# KiCad board AMC_FMC_Carrier-PcbDoc.kicad_pcb (continued)
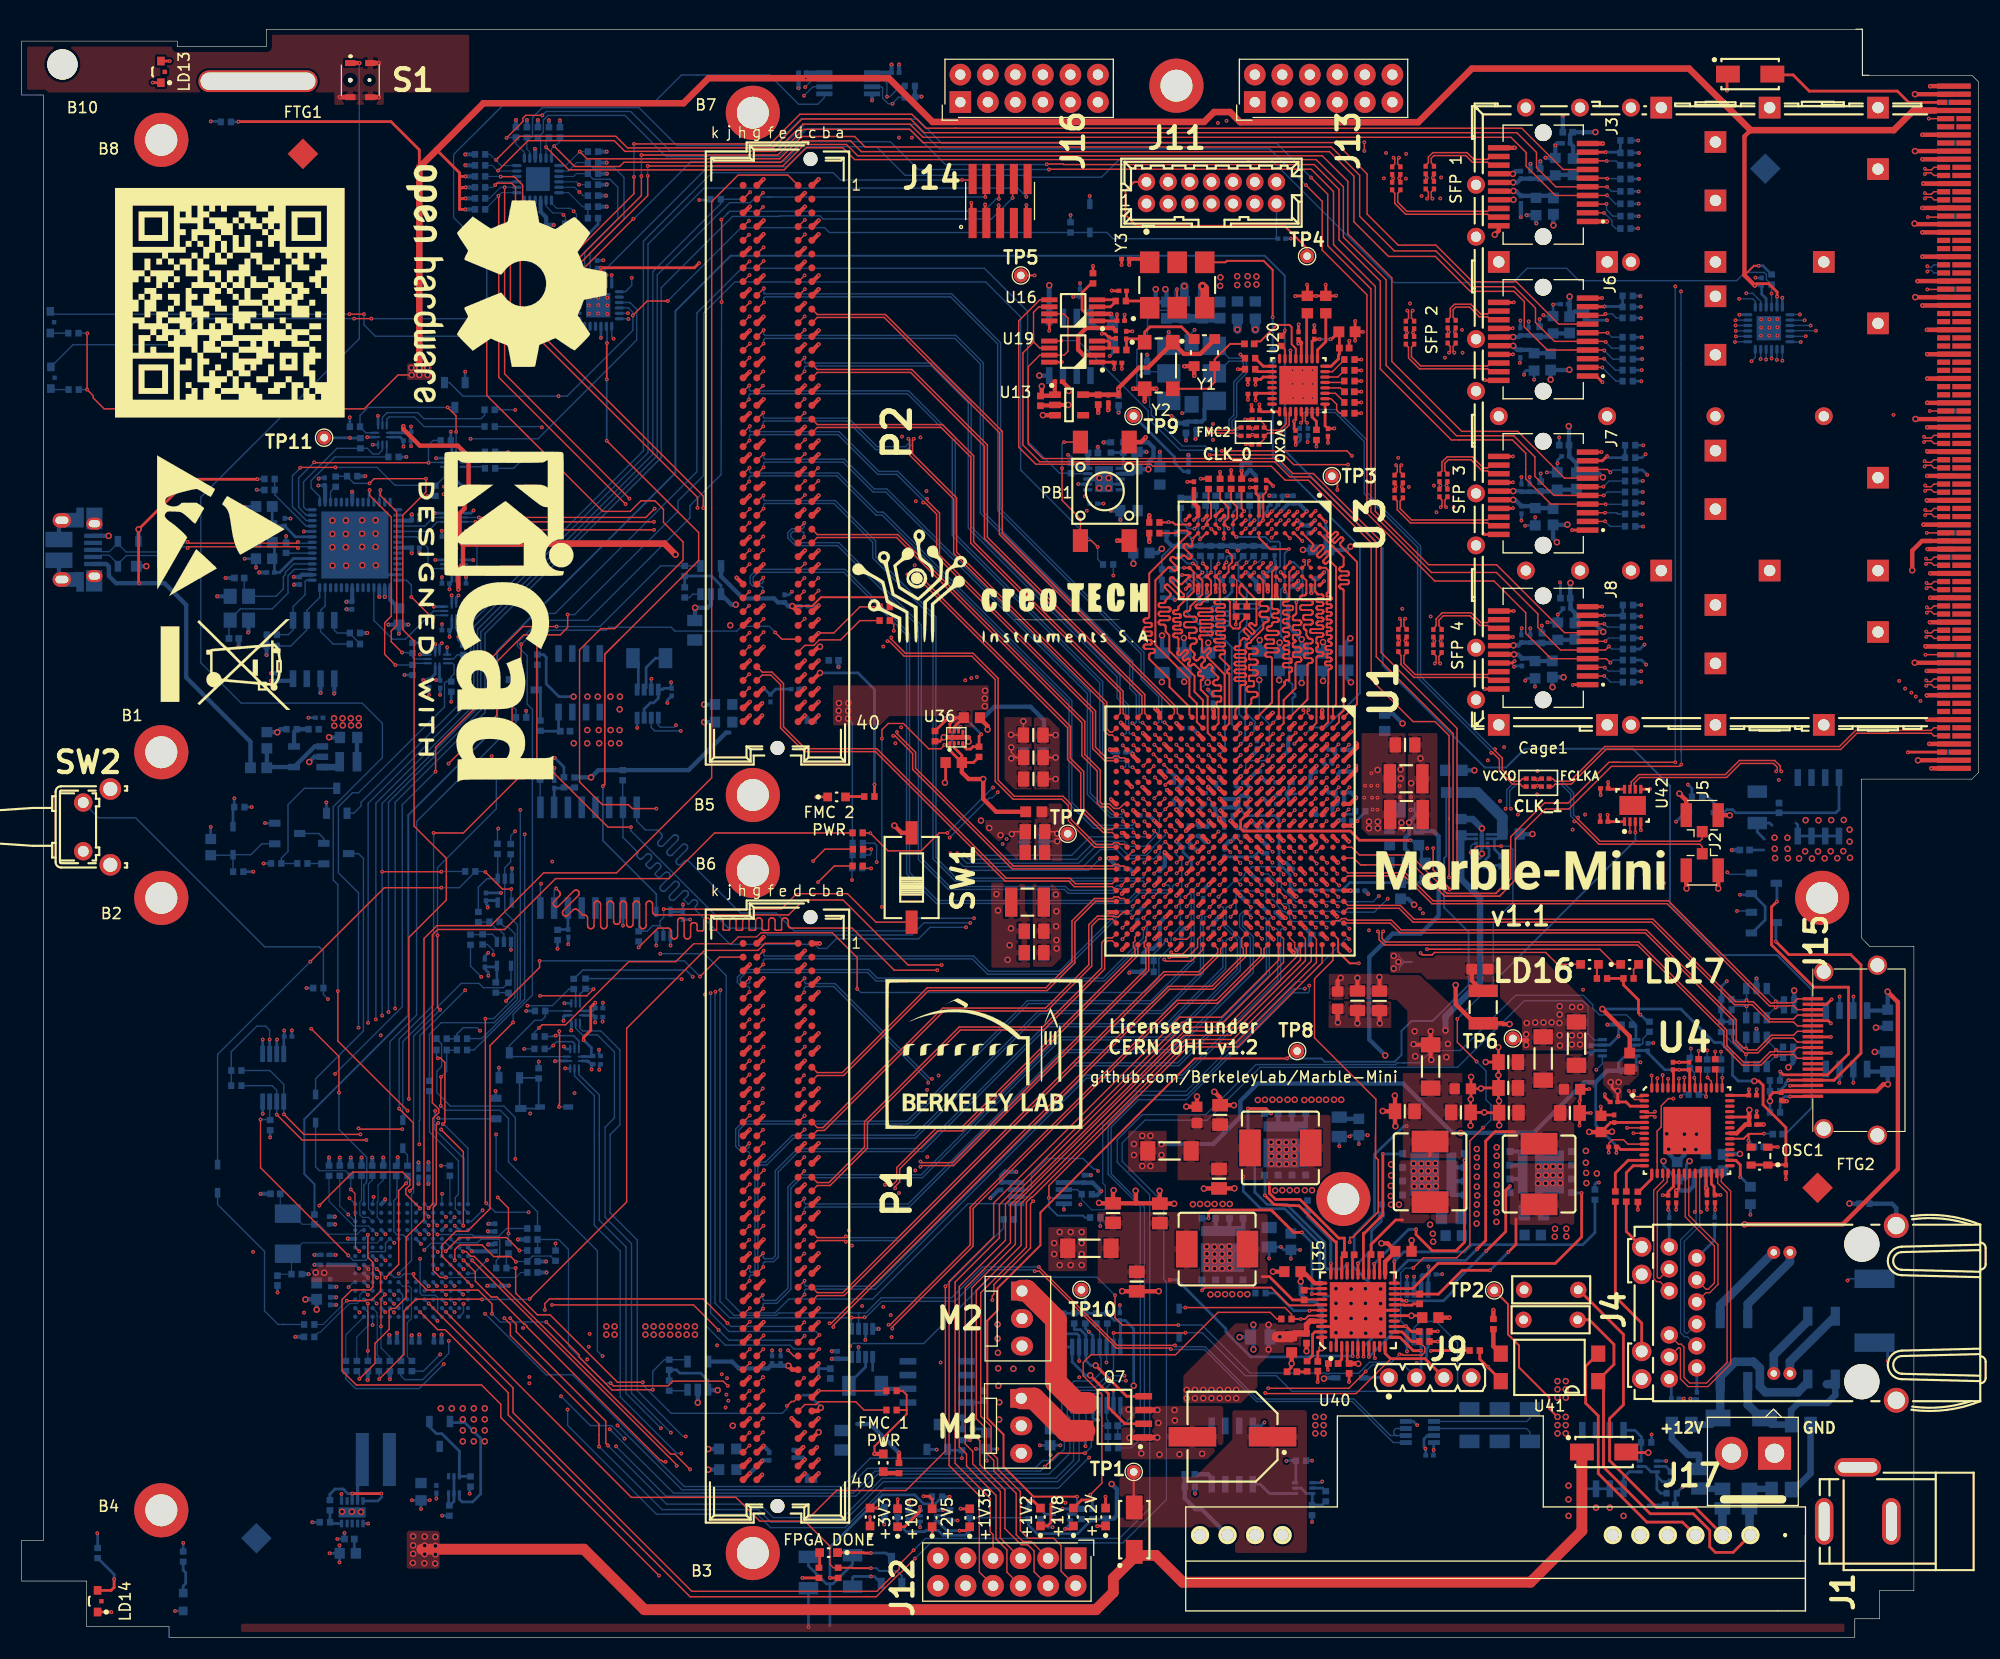
[diagram p0: board, top side]
## Routing (per net, layer and track width the routed paths; a pad name or vN(x,y) marks a point on that pad's centre or on a via; arc(x,y) is an arc through that point) (continued)
/SDRAM/DDR3_DQ13: length 22.7
  Top w0.178: U3.A2 120.51,102.05 120.53,102.02 120.54,102 120.55,101.97 120.55,101.94 120.54,101.92 120.53,101.89 120.5,101.85 120.48,101.82 120.48,101.79 120.48,101.77 120.48,101.74 120.5,101.71 120.51,101.69 120.59,101.62 120.61,101.6 120.64,101.59 120.66,101.58 120.69,101.58 120.72,101.59 120.74,101.6 120.77,101.62 121.19,102.04 121.22,102.06 121.25,102.08 121.29,102.09 121.33,102.09 121.37,102.08 121.41,102.06 121.44,102.04 121.46,102.01 121.48,101.97 121.49,101.93 121.49,101.89 121.48,101.85 121.46,101.82 121.44,101.79 121.02,101.37 121,101.34 120.99,101.32 120.98,101.29 120.98,101.26 120.99,101.24 121,101.21 121.02,101.19 121.09,101.11 121.11,101.1 121.14,101.08 121.17,101.08 121.19,101.08 121.22,101.08 121.25,101.1 121.27,101.11 121.69,101.54 121.72,101.56 121.76,101.58 121.8,101.59 121.84,101.59 121.88,101.58 121.91,101.56 121.94,101.54 121.97,101.5 121.98,101.47 121.99,101.43 121.99,101.39 121.98,101.35 121.97,101.32 121.94,101.28 121.73,101.08 121.71,101.04 121.69,101.01 121.68,100.97 121.68,100.93 121.69,100.89 121.71,100.86 121.73,100.82 123.25,99.31 123.25,86.18 U1.A1
/SDRAM/DDR3_DQ14: length 22.7
  Top w0.178: U1.D2 119.51,84.44 119.51,90.44 119.51,90.48 119.52,90.52 119.54,90.55 119.57,90.58 119.61,90.6 119.64,90.62 119.68,90.62 119.98,90.62 120.02,90.62 120.05,90.64 120.09,90.66 120.12,90.69 120.14,90.72 120.15,90.76 120.15,90.8 120.15,90.84 120.14,90.88 120.12,90.91 120.09,90.94 120.05,90.96 120.02,90.97 119.98,90.98 119.68,90.98 119.64,90.98 119.61,90.99 119.57,91.01 119.54,91.04 119.52,91.08 119.51,91.11 119.51,91.15 119.51,91.36 119.51,91.38 119.51,91.39 119.52,91.41 119.53,91.42 119.55,91.43 119.56,91.43 119.6,91.44 119.61,91.44 119.63,91.45 119.64,91.46 119.65,91.48 119.65,91.49 119.66,91.51 119.66,91.72 119.65,91.73 119.65,91.75 119.64,91.76 119.63,91.77 119.61,91.78 119.6,91.79 119.56,91.79 119.55,91.8 119.53,91.81 119.52,91.82 119.51,91.83 119.51,91.85 119.51,91.87 119.51,92.22 119.51,92.26 119.52,92.29 119.54,92.33 119.57,92.36 119.61,92.38 119.64,92.39 119.68,92.39 119.98,92.39 120.02,92.4 120.05,92.41 120.09,92.43 120.12,92.46 120.14,92.49 120.15,92.53 120.15,92.57 120.15,92.61 120.14,92.65 120.12,92.68 120.09,92.71 120.05,92.73 120.02,92.75 119.98,92.75 119.09,92.75 119.05,92.75 119.01,92.77 118.98,92.79 118.95,92.82 118.93,92.85 118.91,92.89 118.91,92.93 118.91,92.97 118.93,93.01 118.95,93.04 118.98,93.07 119.01,93.09 119.05,93.1 119.09,93.11 119.98,93.11 120.02,93.11 120.05,93.12 120.09,93.14 120.12,93.17 120.14,93.21 120.15,93.24 120.15,93.28 120.15,93.32 120.14,93.36 120.12,93.39 120.09,93.42 120.05,93.44 120.02,93.46 119.98,93.46 119.68,93.46 119.64,93.47 119.61,93.48 119.57,93.5 119.54,93.53 119.52,93.56 119.51,93.6 119.51,93.64 119.51,93.68 119.52,93.72 119.54,93.75 119.57,93.78 119.61,93.8 119.64,93.81 119.68,93.82 119.98,93.82 120.02,93.82 120.05,93.84 120.09,93.86 120.12,93.89 120.14,93.92 120.15,93.96 120.15,94 120.15,94.04 120.14,94.07 120.12,94.11 120.09,94.14 120.05,94.16 120.02,94.17 119.98,94.17 119.68,94.17 119.64,94.18 119.61,94.19 119.57,94.21 119.54,94.24 119.52,94.27 119.51,94.31 119.51,94.35 119.51,94.39 119.52,94.43 119.54,94.46 119.57,94.49 119.61,94.51 119.64,94.53 119.68,94.53 119.98,94.53 120.02,94.53 120.05,94.55 120.09,94.57 120.12,94.6 120.14,94.63 120.15,94.67 120.15,94.71 120.15,94.75 120.14,94.79 120.12,94.82 120.09,94.85 120.05,94.87 120.02,94.88 119.98,94.89 119.68,94.89 119.64,94.89 119.61,94.9 119.57,94.92 119.54,94.95 119.52,94.99 119.51,95.02 119.51,95.06 119.51,95.1 119.52,95.14 119.54,95.17 119.57,95.2 119.61,95.22 119.64,95.24 119.68,95.24 119.98,95.24 120.02,95.25 120.05,95.26 120.09,95.28 120.12,95.31 120.14,95.34 120.15,95.38 120.15,95.42 120.15,95.46 120.14,95.5 120.12,95.53 120.09,95.56 120.05,95.58 120.02,95.59 119.98,95.6 119.68,95.6 119.64,95.6 119.61,95.62 119.57,95.64 119.54,95.67 119.52,95.7 119.51,95.74 119.51,95.78 119.51,95.82 119.52,95.85 119.54,95.89 119.57,95.92 119.61,95.94 119.64,95.95 119.68,95.95 119.98,95.95 120.02,95.96 120.05,95.97 120.09,95.99 120.12,96.02 120.14,96.05 120.15,96.09 120.15,96.13 120.15,96.17 120.14,96.21 120.12,96.24 120.09,96.27 120.05,96.29 120.02,96.31 119.98,96.31 119.68,96.31 119.64,96.31 119.61,96.33 119.57,96.35 119.54,96.38 119.52,96.41 119.51,96.45 119.51,96.49 119.39,96.61 119.39,97.57 U3.B8
/SDRAM/DDR3_DQ15: length 22.7
  Top w0.178: U3.A3 122.02,99.74 122.02,99.04 122.01,99 122,98.96 121.97,98.92 121.94,98.89 121.9,98.86 121.86,98.85 121.77,98.84 121.73,98.82 121.69,98.8 121.66,98.77 121.64,98.73 121.62,98.69 121.62,98.64 121.62,98.6 121.64,98.56 121.66,98.52 121.69,98.49 121.73,98.46 121.77,98.45 121.82,98.44 122.32,98.44 122.36,98.44 122.4,98.42 122.44,98.4 122.47,98.37 122.5,98.33 122.51,98.29 122.52,98.24 122.51,98.2 122.5,98.16 122.47,98.12 122.44,98.09 122.4,98.06 122.36,98.05 122.32,98.04 121.82,98.04 121.77,98.04 121.73,98.02 121.69,98 121.66,97.97 121.64,97.93 121.62,97.89 121.62,97.84 121.62,97.8 121.64,97.76 121.66,97.72 121.69,97.69 121.73,97.66 121.77,97.65 121.82,97.64 122.32,97.64 122.36,97.64 122.4,97.62 122.44,97.6 122.47,97.57 122.5,97.53 122.51,97.49 122.52,97.44 122.51,97.4 122.5,97.36 122.47,97.32 122.44,97.29 122.4,97.26 122.36,97.25 122.32,97.24 121.82,97.24 121.77,97.24 121.73,97.22 121.69,97.2 121.66,97.17 121.64,97.13 121.62,97.09 121.62,97.04 121.62,97 121.64,96.96 121.66,96.92 121.69,96.89 121.73,96.86 121.77,96.85 121.86,96.84 121.9,96.82 121.94,96.8 121.97,96.77 122,96.73 122.01,96.69 122.02,96.64 122.02,85.59 121.59,85.17 121.59,84.52 U1.B2
/SDRAM/PGOOD: length 156.2
  Top w0.127: v1(41.55,32.45) 38.78,35.23 38.78,36.2 40.08,37.5 41.15,37.5 43.23,39.58 43.23,54.64 v1(45.36,56.78)
  Bottom w0.127: U2.E14 41.2,32.81 v1(41.55,32.45) ; v1(45.36,56.78) 45.36,57.54 47.14,59.31 47.14,85.7 46.66,86.18 46.66,90.64 45.76,91.54 45.76,91.87 48.44,94.55 49.23,94.55 62.32,107.64 62.32,122.29 66.46,126.43 88.86,126.43 92.85,122.44 92.85,110.45 95.8,107.51 R29.2 96.9,107.46 U31.9
/SDRAM/VREF_DDR3: length 37.3
  Top w0.178: U3.M8 111.4,98.38 111.4,98.95 111.72,99.27 111.72,99.86 v1(111.26,100.32)
  Top w0.254: U3.M8 110.99,97.97 ; 114.2,103.57 U3.H1 114.19,105.37 113.93,105.63 C23.1 113.35,106.18 v1(113.35,106.17)
  In5.Cu w0.254: v1(98.13,105.38) 98.14,105.37 100.46,105.37 101.27,106.17 v1(113.35,106.17) ; v1(111.26,100.32) 111.44,100.49 111.44,101.7 111.2,101.94 100.4,101.94 v1(98.31,104.04)
/SI570_OE: length 107.9
  In2.Cu w0.127: 96.21,136.95 119.81,136.95 120.31,136.45 120.31,134.65 115.81,130.15 110.31,130.15 105.81,125.65 105.13,125.65 103.31,123.83 v1(103.31,116.55) ; 96.21,136.95 96.11,136.95 ; 96.21,136.95 95.92,136.95 95.43,136.46 79.51,136.46 78.02,137.95 72.71,137.95 70.31,135.55 62.51,135.55 57.26,130.3 57.26,126.5 v1(56.31,125.55)
  Bottom w0.102: Y6.2 105.73,116.87 R308.2
  Bottom w0.127: v1(56.31,125.55) 56.31,124.85 55.73,124.27 U39.1 ; R308.2 103.64,116.87 v1(103.31,116.55)
/THERM: length 174.6
  In2.Cu w0.127: v1(54.63,119.93) 54.63,108.83 47.34,101.54 47.34,50.52 50.39,47.47 v1(50.39,21.04) ; v1(98.53,16.6) 98.53,18.53 98.16,18.89 98.16,24.42 98.42,24.68 98.83,24.68 98.87,24.64 99.36,24.64 100.1,25.39 v1(100.13,25.39)
  Bottom w0.127: v1(98.53,16.6) 98.5,16.6 95.68,13.78 79.65,13.78 76.01,10.13 69.13,10.13 67.88,11.38 58.58,11.38 50.39,19.57 v1(50.39,21.04) ; U39.7 54.46,120.1 v1(54.63,119.93) ; 100.14,28.92 R130.2 100.2,26.88 U27.6 100.14,25.4 v1(100.13,25.39)
/USB/USB_D_N: length 21.9
  Top w0.112: v1(25.5,100.59) 25.38,100.71 15.43,100.71 v1(15.32,100.59)
  Bottom w0.112: J10.2 7.22,99.77 7.37,99.93 8.08,99.93 8.88,99.13 D13.2 8.88,99.11 9.66,99.9 13.38,99.9 14.19,100.71 15.2,100.71 v1(15.32,100.59) ; U23.7 26.72,100.71 25.62,100.71 v1(25.5,100.59)
/USB/USB_D_P: length 21.9
  Top w0.112: v1(15.32,101.16) 15.43,101.04 25.38,101.04 v1(25.5,101.16)
  Bottom w0.112: J10.3 7.22,100.42 7.37,100.26 8.1,100.26 8.88,101.04 D13.3 8.88,100.99 9.64,100.23 13.24,100.23 14.05,101.04 15.2,101.04 v1(15.32,101.16) ; U23.8 26.72,101.04 25.62,101.04 v1(25.5,101.16)
/USB_TCK: length 2
  Bottom w0.127: R230.1 42.61,108.1 U26.5
/USB_TDI_DO: length 2.7
  Bottom w0.127: R231.1 42.76,108.95 42.3,108.5 U26.4
/USB_TDO_DI: length 11.2
  Bottom w0.127: U33.4 33.3,112.66 33.73,113.09 36.56,113.09 37.12,112.53 42.4,112.53 42.72,112.85 R233.1
/USB_TMS: length 10
  Bottom w0.127: U33.5 33.7,112.49 33.91,112.7 36.24,112.7 37.13,111.81 R232.1
/WhiteRabbit/WR_DAC_OUT1: length 9
  Top w0.254: Y1.1 108.17,119.9 107.05,121.02 104.14,121.02 103.65,120.53 Y2.1 103.35,119.91 C109.1 101.97,119.88 R93.1
/WhiteRabbit/WR_DAC_OUT2: length 3.4
  Top w0.254: 104.11,122.78 103.49,123.41 R92.1 101.97,123.46 C108.1
FMC1_LA_0_N: length 50.3
  Top w0.13: v1(104.55,65.47) 105.03,65.95 U1.V20 ; P1.g7 v1(68.45,57.06)
  In5.Cu w0.102: v1(68.45,57.06) 68.45,57.42 68.29,57.58 66.7,57.58 66.2,57.09 66.2,55.84 66.77,55.27 76.43,55.27 84.53,63.37 92.5,63.37 92.86,63.02 103.91,63.02 104.95,64.05 104.95,65.32 104.8,65.47 v1(104.55,65.47)
FMC1_LA_0_P: length 51.5
  Top w0.112: 105.57,65.5 v1(105.57,65.46)
  Top w0.13: U1.U20 106.03,65.92 v1(105.57,65.46) ; P1.g6 v1(68.45,58.33)
  In5.Cu w0.102: v1(68.45,58.33) 68.45,57.98 68.29,57.81 66.6,57.81 65.98,57.18 65.98,55.74 66.68,55.04 76.53,55.04 84.63,63.14 92.41,63.14 92.76,62.79 104.01,62.79 105.18,63.96 105.18,65.31 105.33,65.46 v1(105.57,65.46)
FMC1_LA_1_N: length 39.4
  Top w0.112: U1.V19 105.02,66.96
  Top w0.13: v1(104.55,66.48) 104.55,66.48 U1.V19 ; P1.d9 v1(72.29,54.55)
  In2.Cu w0.102: v1(72.29,54.55) 72.29,54.88 72.47,55.05 78.9,55.05 90.12,66.27 100.88,66.27 101.47,66.85 104.43,66.85 104.55,66.74 v1(104.55,66.48)
FMC1_LA_1_P: length 39.5
  Top w0.13: U1.V18 105.03,67.93 v1(104.55,67.45) ; v1(72.29,55.82) P1.d8
  In2.Cu w0.102: v1(104.55,67.45) 104.55,67.2 104.43,67.08 101.37,67.08 100.79,66.5 90.02,66.5 78.81,55.28 72.47,55.28 72.29,55.46 v1(72.29,55.82)
FMC1_LA_2_N: length 49.3
  Top w0.112: 107.57,69.5 107.52,69.5
  Top w0.13: v1(107.52,69.41) 108.03,69.92 U1.R16 ; P1.h8 66.59,55.22 v1(67.18,55.82)
  In5.Cu w0.102: v1(107.52,69.41) 107.57,69.41 107.85,69.68 107.85,69.85 107.8,69.9 106.37,69.9 106.18,69.71 106.18,69.21 105.74,68.76 103.02,68.76 101.98,67.72 86.31,67.72 74.91,56.32 67.31,56.32 67.18,56.2 v1(67.18,55.82)
FMC1_LA_2_P: length 49.4
  Top w0.112: 108.56,70.49 v1(108.55,70.49)
  Top w0.13: v1(108.55,70.49) 109.02,70.96 U1.P15 ; P1.h7 v1(67.18,57.06)
  In5.Cu w0.102: v1(108.55,70.49) 108.19,70.13 106.28,70.13 105.96,69.81 105.96,69.3 105.64,68.99 102.92,68.99 101.88,67.94 86.21,67.94 74.82,56.55 67.31,56.55 67.18,56.68 v1(67.18,57.06)
FMC1_LA_3_N: length 52.5
  Top w0.13: v1(109.6,71.51) 110.03,71.94 U1.N14 ; P1.g10 67.88,52.65 v1(68.45,53.23)
  In2.Cu w0.102: v1(68.45,53.23) 68.45,53.61 68.6,53.76 69.27,53.76 69.91,54.4 69.91,56.28 71.27,57.63 74.14,57.63 85.92,69.42 100.66,69.42 101.09,69.85 104.77,69.85 105.19,70.27 105.19,71.24 105.85,71.89 109.47,71.89 109.6,71.77 v1(109.6,71.51)
FMC1_LA_3_P: length 52.6
  Top w0.13: P1.g9 v1(68.48,54.55) ; U1.N13 v1(109.57,72.5)
  In2.Cu w0.102: v1(109.57,72.5) 109.57,72.25 109.45,72.12 105.76,72.12 104.96,71.33 104.96,70.37 104.68,70.08 100.99,70.08 100.56,69.65 85.83,69.65 74.04,57.86 71.17,57.86 69.68,56.37 69.68,54.49 69.18,53.99 68.63,53.99 68.48,54.14 v1(68.48,54.55)
FMC1_LA_4_N: length 47.3
  Top w0.13: P1.h11 v1(67.18,51.98) ; U1.W17 104.03,68.87 v1(103.53,68.37)
  In2.Cu w0.102: v1(67.18,51.98) 67.18,52.36 67.32,52.5 69.74,52.5 70.95,53.71 70.95,55.62 71.73,56.39 74.93,56.39 86.25,67.72 101.98,67.72 103.07,68.81 103.84,68.81 103.87,68.78 103.87,68.5 103.74,68.37 v1(103.53,68.37)
FMC1_LA_4_P: length 47.8
  Top w0.13: U1.V17 105.03,68.95 v1(104.44,68.36) ; P1.h10 v1(67.18,53.25)
  In2.Cu w0.102: v1(104.44,68.36) 104.22,68.36 104.09,68.48 104.09,68.88 103.93,69.04 102.97,69.04 101.88,67.94 86.16,67.94 74.83,56.62 71.63,56.62 70.73,55.71 70.73,53.81 69.65,52.73 67.32,52.73 67.18,52.87 v1(67.18,53.25)
FMC1_LA_5_N: length 49.5
  Top w0.13: P1.d12 v1(72.21,50.66) ; v1(107.54,66.51) 107.99,66.96 U1.R19
  In5.Cu w0.102: v1(72.21,50.66) 72.21,51.04 72.08,51.17 71.21,51.17 70.8,51.58 70.8,52.1 71.4,52.7 76.3,52.7 84.43,60.83 105.84,60.83 107.95,62.94 107.95,66.38 107.82,66.51 v1(107.54,66.51)
FMC1_LA_5_P: length 49.1
  Top w0.112: 108.59,66.52 v1(108.59,66.51)
  Top w0.13: v1(108.59,66.51) 109.03,66.94 U1.P19 ; P1.d11 71.69,51.38 v1(72.21,51.9)
  In5.Cu w0.102: v1(108.59,66.51) 108.28,66.51 108.18,66.41 108.18,62.85 105.94,60.6 84.53,60.6 76.4,52.48 71.5,52.48 71.03,52.01 71.03,51.67 71.31,51.4 72.08,51.4 72.21,51.52 v1(72.21,51.9)
FMC1_LA_6_N: length 37.2
  Top w0.13: U1.AB18 99.13,67.96 97.21,66.05 97.21,62.29 94.64,59.72 83.7,59.72 75.86,51.88 73.44,51.88 P1.c11
FMC1_LA_6_P: length 38.4
  Top w0.13: U1.AA18 101.76,68.23 101.38,68.23 101.23,68.38 100.83,68.38 100.68,68.23 99.01,68.23 96.94,66.16 96.94,62.4 94.53,59.99 83.59,59.99 75.75,52.15 73.44,52.15 P1.c10
FMC1_LA_7_N: length 43.6
  Top w0.13: U1.AA21 102.03,64.91 v1(101.6,64.48) ; P1.h14 v1(67.21,48.2)
  In2.Cu w0.102: v1(101.6,64.48) 101.6,64.83 101.55,64.88 93.68,64.88 93.44,64.64 90.55,64.64 77.11,51.21 70.84,51.21 69.23,49.6 69.23,49.27 68.63,48.67 67.37,48.67 67.21,48.5 v1(67.21,48.2)
FMC1_LA_7_P: length 43.6
  Top w0.13: U1.AA20 102.03,65.95 v1(101.6,65.52) ; P1.h13 v1(67.16,49.42)
  In2.Cu w0.102: v1(67.16,49.42) 67.16,49.06 67.32,48.89 68.53,48.89 69,49.36 69,49.69 70.74,51.43 77.02,51.43 90.45,64.87 93.35,64.87 93.59,65.11 101.5,65.11 101.6,65.21 v1(101.6,65.52)
FMC1_LA_8_N: length 61
  Top w0.13: v1(68.4,49.36) 67.88,48.84 P1.g13 ; U1.P17 108.93,68.96 v1(108.58,68.62)
  In5.Cu w0.102: v1(68.4,49.36) 68.4,49.77 68.26,49.91 66.92,49.91 66.41,49.39 66.41,48.14 66.82,47.73 73.56,47.73 85.83,59.99 107.04,59.99 108.75,61.71 108.75,65.95 109.01,66.22 109.01,68.52 108.92,68.62 v1(108.58,68.62)
FMC1_LA_8_P: length 62.1
  Top w0.112: P1.g12 67.86,50.14 ; 109.64,68.57 v1(109.63,68.57)
  Top w0.13: v1(68.4,50.69) 68.4,50.66 P1.g12 ; U1.N17 110.02,68.96 v1(109.63,68.57)
  In5.Cu w0.102: v1(109.63,68.57) 109.32,68.57 109.24,68.49 109.24,66.12 108.98,65.86 108.98,61.61 107.13,59.77 85.92,59.77 73.66,47.5 66.73,47.5 66.18,48.05 66.18,49.49 66.83,50.14 68.26,50.14 68.4,50.28 v1(68.4,50.69)
FMC1_LA_9_N: length 50.3
  Top w0.13: P1.d15 v1(72.26,46.9) ; v1(106.55,67.47) 107.03,67.95 U1.T18
  In2.Cu w0.102: v1(72.26,46.9) 72.26,47.26 72.1,47.42 71.5,47.42 71.28,47.64 71.28,48.45 71.73,48.89 84.79,48.89 97.94,62.05 106.12,62.05 106.92,62.85 106.92,67.34 106.78,67.47 v1(106.55,67.47)
FMC1_LA_9_P: length 50
  Top w0.112: 107.57,67.5 v1(107.52,67.5)
  Top w0.13: v1(107.52,67.5) 107.98,67.96 U1.R18 ; P1.d14 v1(72.26,48.17)
  In2.Cu w0.102: v1(72.26,48.17) 72.26,47.84 72.07,47.65 71.6,47.65 71.51,47.74 71.51,48.35 71.83,48.67 84.88,48.67 98.04,61.82 106.22,61.82 107.15,62.75 107.15,67.36 107.29,67.5 v1(107.52,67.5)
FMC1_LA_10_N: length 38.7
  Top w0.13: P1.c15 73.44,46.8 74.08,46.8 85.12,57.84 94.62,57.84 98.76,61.98 98.76,65.69 99.4,66.33 100.66,66.33 U1.AB20
FMC1_LA_10_P: length 39.8
  Top w0.13: P1.c14 73.44,47.07 73.97,47.07 85.01,58.11 94.51,58.11 98.49,62.1 98.49,65.8 99.29,66.6 100.77,66.6 100.83,66.54 101.23,66.54 101.65,66.96 U1.AA19
FMC1_LA_11_N: length 60.5
  Top w0.112: 107.43,68.36 v1(107.41,68.36)
  Top w0.13: v1(107.41,68.36) 108.01,68.96 U1.R17 ; P1.h17 v1(67.18,44.36)
  Bottom w0.13: v1(107.41,68.36) 107.69,68.64 107.87,68.64 107.94,68.57 107.94,62.5 104.24,58.8 92.83,58.8 81.71,47.67 66.64,47.67 65.9,46.93 65.9,45.35 66.38,44.87 67.05,44.87 67.18,44.74 v1(67.18,44.36)
FMC1_LA_11_P: length 60.1
  Top w0.112: 108.55,69.48 v1(108.55,69.48)
  Top w0.13: U1.P16 109.03,69.96 v1(108.55,69.48) ; P1.h16 66.59,45.06 v1(67.16,45.63)
  Bottom w0.13: v1(108.55,69.48) 108.21,69.14 108.21,62.39 104.35,58.53 92.94,58.53 81.82,47.4 66.76,47.4 66.17,46.82 66.17,45.46 66.49,45.14 67.03,45.14 67.16,45.28 v1(67.16,45.63)
FMC1_LA_12_N: length 51.9
  Top w0.13: P1.g16 v1(68.48,45.66) ; v1(105.56,67.47) 106.03,67.94 U1.U18
  In2.Cu w0.102: v1(105.56,67.47) 105.56,67.68 105.45,67.79 105.32,67.79 105.17,67.64 105.17,63.85 104.06,62.74 97.25,62.74 84.48,49.96 71.17,49.96 70.29,49.09 70.29,46.75 69.68,46.14 68.6,46.14 68.48,46.01 v1(68.48,45.66)
FMC1_LA_12_P: length 52
  Top w0.13: v1(105.54,68.37) 106.03,68.87 U1.U17 ; P1.g15 v1(68.43,46.88)
  In2.Cu w0.102: v1(68.43,46.88) 68.43,46.52 68.58,46.37 69.59,46.37 70.06,46.85 70.06,49.18 71.07,50.19 84.38,50.19 97.16,62.97 103.96,62.97 104.94,63.94 104.94,67.77 105.19,68.02 105.44,68.02 105.54,68.11 v1(105.54,68.37)
FMC1_LA_13_N: length 43
  Top w0.13: U1.W22 104.03,61.59 86.01,43.57 83.06,43.57 v1(82.96,43.46) ; P1.d18 v1(72.24,43.07)
  In2.Cu w0.102: v1(82.96,43.46) 82.83,43.59 72.4,43.59 72.24,43.42 v1(72.24,43.07)
FMC1_LA_13_P: length 43.8
  Top w0.13: P1.d17 v1(72.24,44.34) ; U1.W21 103.76,64.69 103.76,64.31 103.61,64.16 103.61,63.76 103.76,63.61 103.76,61.7 85.9,43.84 83.06,43.84 v1(82.96,43.94)
  In2.Cu w0.102: v1(72.24,44.34) 72.24,43.95 72.38,43.81 82.83,43.81 v1(82.96,43.94)
FMC1_LA_14_N: length 40.6
  Top w0.13: P1.c19 73.44,41.72 74.62,41.72 78.06,45.17 78.06,47.51 86.64,56.09 94.34,56.09 99.96,61.7 99.96,64.04 100.24,64.32 100.67,64.32 U1.AB22
FMC1_LA_14_P: length 40.6
  Top w0.13: P1.c18 73.44,41.99 74.5,41.99 77.79,45.28 77.79,47.62 86.53,56.36 94.23,56.36 99.69,61.82 99.69,64.15 100.13,64.59 100.67,64.59 U1.AB21
FMC1_LA_15_N: length 48
  Top w0.13: v1(80.61,41.47) 80.61,41.63 81.03,42.04 81.03,43.26 84.54,46.77 86.82,46.77 103.03,62.97 U1.Y22 ; P1.h20 v1(67.21,40.58)
  In2.Cu w0.102: v1(80.61,41.47) 80.43,41.47 80.06,41.1 67.3,41.1 67.21,41.01 v1(67.21,40.58)
FMC1_LA_15_P: length 48.8
  Top w0.13: v1(80.27,41.82) 80.42,41.82 80.76,42.16 80.76,43.38 84.42,47.04 86.71,47.04 102.76,63.09 102.76,63.61 102.61,63.76 102.61,64.16 102.76,64.31 102.76,64.69 U1.Y21 ; P1.h19 v1(67.21,41.85)
  In2.Cu w0.102: v1(67.21,41.85) 67.21,41.41 67.3,41.33 79.96,41.33 80.27,41.63 v1(80.27,41.82)
FMC1_LA_16_N: length 64.7
  Top w0.13: U1.R14 108.03,71.95 v1(107.54,71.46) ; P1.g19 v1(68.48,41.85)
  In2.Cu w0.102: v1(107.54,71.46) 107.77,71.46 107.92,71.31 107.92,62.12 106.53,60.73 98.5,60.73 82.88,45.11 66.83,45.11 66.2,44.48 66.2,42.94 66.78,42.37 68.34,42.37 68.48,42.23 v1(68.48,41.85)
FMC1_LA_16_P: length 64.4
  Top w0.13: U1.P14 v1(108.53,71.46) ; P1.g18 v1(68.5,43.14)
  In2.Cu w0.102: v1(68.5,43.14) 68.5,42.74 68.36,42.6 66.87,42.6 66.43,43.04 66.43,44.39 66.92,44.88 82.98,44.88 98.6,60.5 106.63,60.5 108.15,62.03 108.15,71.31 108.3,71.46 v1(108.53,71.46)
FMC1_LA_17_N: length 59.1
  Top w0.112: 113.47,66.52 v1(113.47,66.47)
  Top w0.13: U1.K19 113.03,66.91 v1(113.47,66.47) ; v1(72.24,39.23) 71.69,38.68 P1.d21
  Bottom w0.13: v1(72.24,39.23) 72.24,39.61 72.37,39.74 81.93,39.74 96.19,54 106.3,54 113.67,61.37 113.67,64.69 112.68,65.68 112.68,66.58 112.92,66.82 113.36,66.82 113.47,66.71 v1(113.47,66.47)
FMC1_LA_17_P: length 59.4
  Top w0.112: U1.K18 113.03,67.94 ; 113.44,67.53 113.52,67.45
  Top w0.127: v1(113.46,67.42) 113.44,67.44 113.44,67.53
  Top w0.13: P1.d20 v1(72.24,40.53) ; v1(113.46,67.42) 113.03,67.85 U1.K18
  Bottom w0.13: v1(113.46,67.42) 113.46,67.2 113.35,67.09 112.81,67.09 112.41,66.69 112.41,65.56 113.4,64.57 113.4,61.49 106.19,54.27 96.08,54.27 81.82,40.01 72.37,40.01 72.24,40.14 v1(72.24,40.53)
FMC1_LA_18_N: length 59
  Top w0.112: 115.54,66.45 v1(115.54,66.43)
  Top w0.13: U1.H19 115.03,66.93 v1(115.54,66.43) ; v1(76.07,36.53) 75.96,36.64 73.44,36.64 P1.c23
  Bottom w0.13: v1(76.07,36.53) 76.18,36.64 81.02,36.64 97.16,52.79 106.81,52.79 115.16,61.13 115.16,66.33 115.26,66.43 v1(115.54,66.43)
FMC1_LA_18_P: length 58.6
  Top w0.112: 114.5,66.49 v1(114.5,66.43)
  Top w0.13: P1.c22 73.44,36.91 75.96,36.91 v1(76.07,37.02) ; v1(114.5,66.43) 114.03,66.91 U1.J19
  Bottom w0.13: v1(76.07,37.02) 76.18,36.91 80.91,36.91 97.05,53.06 106.7,53.06 114.89,61.24 114.89,66.33 114.78,66.43 v1(114.5,66.43)
FMC1_LA_19_N: length 72.7
  Top w0.13: U1.L15 112.03,70.96 v1(112.5,70.5) ; P1.h23 v1(67.16,36.72)
  In5.Cu w0.102: v1(112.5,70.5) 112.5,70.78 112.37,70.9 112.05,70.9 112.03,70.88 112.03,68.13 112.64,67.52 112.64,60.39 109.75,57.51 87.32,57.51 79.11,49.29 79.11,42.13 74.23,37.25 67.28,37.25 67.16,37.12 v1(67.16,36.72)
FMC1_LA_19_P: length 72.7
  Top w0.13: v1(67.18,37.99) 66.61,37.41 P1.h22 ; v1(112.47,71.51) 112.03,71.95 U1.L14
  In5.Cu w0.102: v1(112.47,71.51) 112.47,71.23 112.37,71.13 111.95,71.13 111.8,70.98 111.8,68.04 112.41,67.43 112.41,60.49 109.65,57.73 87.23,57.73 78.88,49.39 78.88,42.22 74.13,37.48 67.28,37.48 67.18,37.58 v1(67.18,37.99)
FMC1_LA_20_N: length 70.4
  Top w0.112: 112.45,72.54 v1(112.45,72.5)
  Top w0.13: v1(112.45,72.5) 112.03,72.93 U1.L13 ; P1.g22 67.88,37.41 v1(68.48,38.01)
  In5.Cu w0.102: v1(68.48,38.01) 68.48,38.39 68.6,38.52 73.95,38.52 76.59,41.16 76.59,48.58 86.79,58.78 108.25,58.78 111.16,61.69 111.16,71.8 111.27,71.91 111.88,71.91 112.12,72.14 112.12,72.41 112.22,72.5 v1(112.45,72.5)
FMC1_LA_20_P: length 70.1
  Top w0.13: P1.g21 v1(68.45,39.28) ; U1.M13 111.1,72.96 v1(111.56,72.5)
  In5.Cu w0.102: v1(68.45,39.28) 68.45,38.9 68.6,38.75 73.85,38.75 76.36,41.26 76.36,48.68 86.69,59 108.16,59 110.93,61.78 110.93,71.89 111.18,72.14 111.79,72.14 111.89,72.24 111.89,72.4 111.78,72.5 v1(111.56,72.5)
FMC1_LA_21_N: length 66.7
  Top w0.112: 109.64,66.57 v1(109.64,66.56)
  Top w0.13: U1.N19 110.03,66.95 v1(109.64,66.56) ; P1.h26 v1(67.18,32.93)
  Bottom w0.13: v1(109.64,66.56) 109.21,66.56 109.21,66.23 109.07,66.1 109.07,61.32 105.36,57.61 94.01,57.61 82.5,46.11 71.25,46.11 68.76,43.62 68.15,43.62 67.95,43.42 67.95,33.81 67.58,33.44 67.29,33.44 67.18,33.34 v1(67.18,32.93)
FMC1_LA_21_P: length 67.1
  Top w0.13: U1.N18 110.03,67.83 v1(109.64,67.44) ; v1(67.18,34.23) 66.59,33.63 P1.h25
  Bottom w0.13: v1(109.64,67.44) 108.94,66.73 108.94,66.34 108.8,66.21 108.8,61.43 105.25,57.88 93.9,57.88 82.39,46.38 71.14,46.38 68.65,43.89 68.04,43.89 67.68,43.53 67.68,33.93 67.47,33.71 67.29,33.71 67.18,33.82 v1(67.18,34.23)
FMC1_LA_22_N: length 63.5
  Top w0.13: U1.L21 112.03,64.93 v1(111.58,64.48) ; P1.g25 v1(68.45,34.2)
  Bottom w0.13: v1(68.45,34.2) 68.45,34.56 68.58,34.69 69.41,34.69 69.83,35.11 69.83,42.98 71.71,44.86 83.16,44.86 94.7,56.39 105.77,56.39 111.14,61.76 111.14,64.31 111.3,64.48 v1(111.58,64.48)
FMC1_LA_22_P: length 63.1
  Top w0.112: 110.51,64.44 v1(110.51,64.39)
  Top w0.13: P1.g24 67.86,34.9 v1(68.43,35.47) ; v1(110.51,64.39) 111.03,64.91 U1.M21
  Bottom w0.13: v1(110.51,64.39) 110.78,64.39 110.87,64.3 110.87,61.87 105.66,56.66 94.58,56.66 83.05,45.13 71.6,45.13 69.56,43.1 69.56,35.22 69.3,34.96 68.58,34.96 68.43,35.12 v1(68.43,35.47)
FMC1_LA_23_N: length 56.1
  Top w0.112: 110.52,65.45 v1(110.51,65.45)
  Top w0.13: v1(110.51,65.45) 111.01,65.96 U1.M20 ; P1.d24 v1(72.24,35.45)
  In2.Cu w0.102: v1(110.51,65.45) 110.25,65.45 110.14,65.35 110.14,62.34 107.31,59.51 99.54,59.51 84.8,44.77 84.8,42.69 77.34,35.23 75.03,35.23 74.3,35.97 72.35,35.97 72.24,35.85 v1(72.24,35.45)
FMC1_LA_23_P: length 55.7
  Top w0.13: v1(109.5,65.49) 109.96,65.96 U1.N20 ; P1.d23 v1(72.24,36.72)
  In2.Cu w0.102: v1(72.24,36.72) 72.24,36.31 72.35,36.19 74.39,36.19 75.13,35.46 77.24,35.46 84.57,42.78 84.57,44.87 99.44,59.74 107.22,59.74 109.91,62.43 109.91,65.34 109.75,65.49 v1(109.5,65.49)
FMC1_LA_24_N: length 78.2
  Top w0.13: v1(114.48,68.57) 114.08,68.96 U1.J17 ; P1.h29 v1(67.21,29.15)
  In5.Cu w0.102: v1(67.21,29.15) 67.21,29.5 67.37,29.67 74.88,29.67 81.88,36.67 81.88,50.54 87.91,56.57 110.38,56.57 114.08,60.26 114.08,68.45 114.2,68.57 v1(114.48,68.57)
FMC1_LA_24_P: length 77.9
  Top w0.112: 113.5,68.49 v1(113.54,68.49)
  Top w0.13: P1.h28 v1(67.21,30.42) ; U1.K17 113.07,68.96 v1(113.54,68.49)
  In5.Cu w0.102: v1(113.54,68.49) 113.79,68.49 113.85,68.43 113.85,60.36 110.29,56.79 87.81,56.79 81.65,50.63 81.65,36.76 74.78,29.9 67.35,29.9 67.21,30.04 v1(67.21,30.42)
FMC1_LA_25_N: length 71
  Top w0.13: v1(111.56,67.47) 112.03,67.95 U1.L18 ; P1.g28 v1(68.43,30.37)
  Bottom w0.13: v1(111.56,67.47) 111.25,67.47 111.17,67.4 111.17,65.84 112.48,64.53 112.48,61.58 106.07,55.17 95.86,55.17 83.14,42.45 71.96,42.45 71,41.49 71,32.14 69.7,30.84 68.49,30.84 68.43,30.77 v1(68.43,30.37)
FMC1_LA_25_P: length 70.6
  Top w0.112: 110.56,67.49 v1(110.51,67.49)
  Top w0.13: v1(110.51,67.49) 110.98,67.96 U1.M18 ; P1.g27 v1(68.4,31.61)
  Bottom w0.13: v1(110.51,67.49) 110.83,67.49 110.9,67.42 110.9,65.73 112.21,64.42 112.21,61.69 105.96,55.44 95.75,55.44 83.03,42.72 71.85,42.72 70.73,41.6 70.73,32.25 69.59,31.11 68.52,31.11 68.4,31.23 v1(68.4,31.61)
FMC1_LA_26_N: length 63
  Top w0.112: 116.54,65.45 v1(116.6,65.45)
  Top w0.13: P1.d27 v1(72.26,31.66) ; v1(116.6,65.45) 116.09,65.96 U1.G20
  Bottom w0.13: v1(72.26,31.66) 72.26,32.04 72.38,32.16 78.8,32.16 98.28,51.64 107.22,51.64 116.2,60.63 116.2,65.34 116.31,65.45 v1(116.6,65.45)
